# EAGLE board Mk4 Final a Panel score 2x5 (EAGLE 9.0.1), part 24 of 29
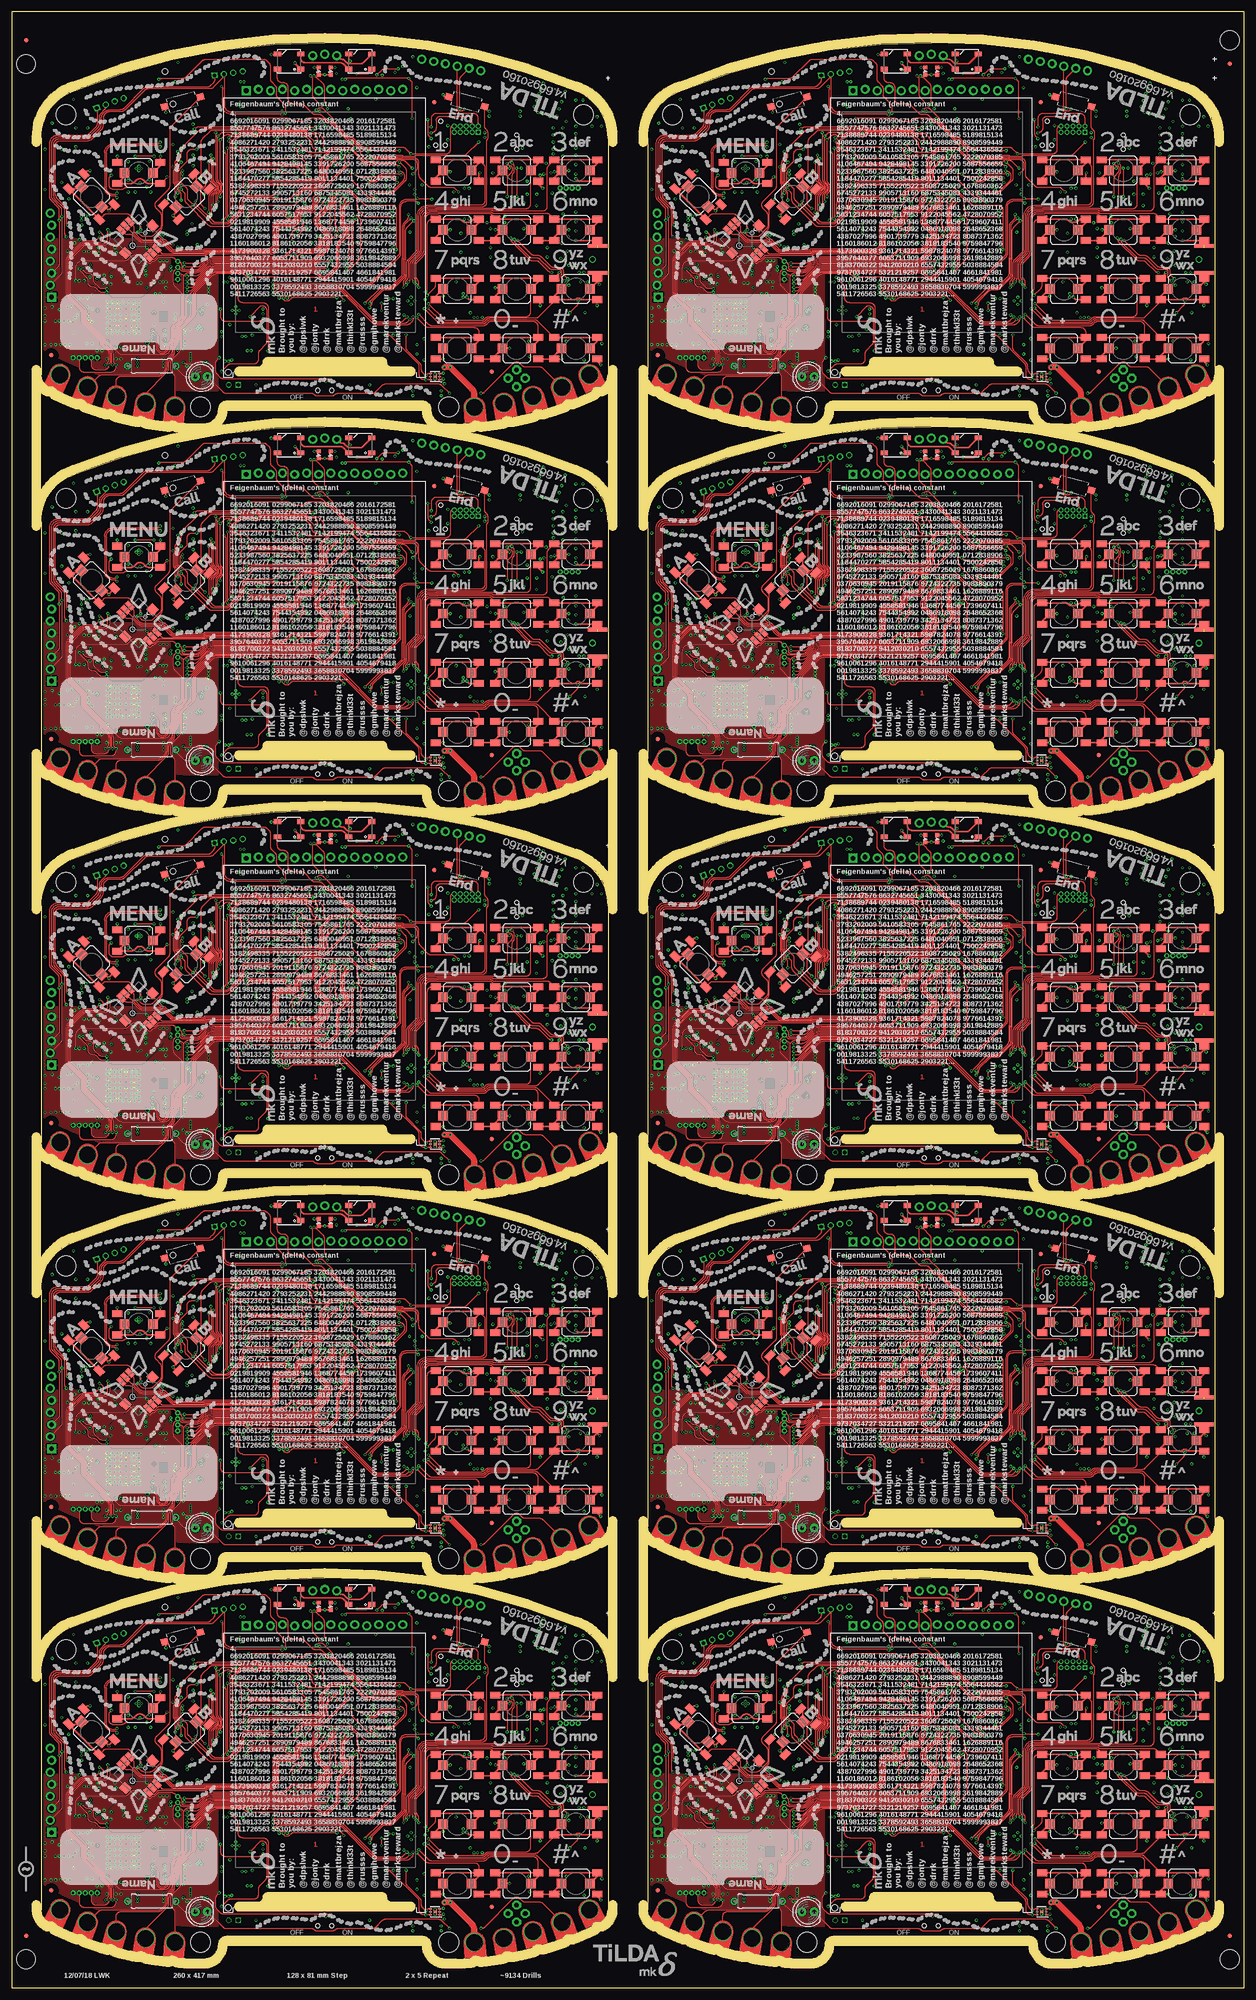
[diagram p0: board, top side]
## Tracks (layer width: path | path; a pad name or v marks a point on that pad's centre or on a via) (continued)
SPK_N4  (via drill 0.3) (continued)
  Bottom 0.2: IC75.12 98.6,215 C493.2 | C490.1 C493.2 | C492.1 C489.2 | C489.2 C493.2 | C489.2 95.17,214.68 90.46,214.68 arc-45 90.39,214.7 90.3,214.8 arc45 90.23,214.82 89.22,214.82 arc-90 v88.6,215.45 | v55,197.9 54.77,197.68 54.29,197.68 arc-45 53.58,197.97 51.27,200.28 arc45 50.8,200.47 50.69,200.47 arc-45 49.98,200.77 46.66,204.08 arc45 45.96,204.38 39.39,204.38 arc-45 38.68,204.67 35.87,207.48 arc-45 35.58,208.19 35.58,208.7 arc90 33.9,210.38 31.29,210.38 arc-45 30.58,210.67 28.37,212.88 arc45 27.66,213.18 24.4,213.18 arc-90 23.67,213.9 23.67,215.6 arc90 22.85,216.43 22.68,216.43 arc-45 22.33,216.57 v22.2,216.7 | 30.45,226.5 C507.2 30.5,226.5 v31.3,226.5 | v85.59,215.62 86.1,215.11 86.1,215.06 86.66,214.5 R359.1
SPK_N5  (via drill 0.3)
  Top 0.2: v183,197.9 183.22,197.68 203.21,197.68 arc45 203.92,197.97 209.46,203.5 arc45 209.75,204.21 209.75,213.93 arc-90 211.17,215.34 213.11,215.34 arc45 213.46,215.49 v213.59,215.62 213.76,215.45 v216.6,215.45 | v159.3,226.5 159.27,226.53 arc45 158.56,226.82 149.5,226.82 arc90 147.93,225.25 147.93,217.95 arc90 149.45,216.43 149.72,216.43 arc45 150.07,216.57 v150.2,216.7
  Bottom 0.2: IC93.12 226.6,215 C601.2 | C598.1 C601.2 | C600.1 C597.2 | C597.2 C601.2 | C597.2 223.18,214.68 218.46,214.68 arc-45 218.39,214.7 218.3,214.8 arc45 218.23,214.82 217.22,214.82 arc-90 v216.6,215.45 | v183,197.9 182.78,197.68 182.29,197.68 arc-45 181.58,197.97 179.26,200.28 arc45 178.8,200.47 178.69,200.47 arc-45 177.98,200.77 174.67,204.08 arc45 173.96,204.38 167.39,204.38 arc-45 166.68,204.67 163.87,207.48 arc-45 163.57,208.19 163.57,208.7 arc90 161.9,210.38 159.29,210.38 arc-45 158.58,210.67 156.37,212.88 arc45 155.66,213.18 152.4,213.18 arc-90 151.68,213.9 151.68,215.6 arc90 150.85,216.43 150.68,216.43 arc-45 150.33,216.57 v150.2,216.7 | 158.45,226.5 C615.2 158.5,226.5 v159.3,226.5 | v213.59,215.62 214.1,215.11 214.1,215.06 214.66,214.5 R437.1
SPK_N6  (via drill 0.3)
  Top 0.2: v55,278.9 55.23,278.68 75.21,278.68 arc45 75.92,278.97 81.46,284.5 arc45 81.75,285.21 81.75,294.93 arc-90 83.17,296.34 85.11,296.34 arc45 85.46,296.49 v85.59,296.62 85.76,296.45 v88.6,296.45 | v31.3,307.5 31.27,307.53 arc45 30.56,307.82 21.5,307.82 arc90 19.92,306.25 19.92,298.95 arc90 21.45,297.43 21.72,297.43 arc45 22.07,297.57 v22.2,297.7
  Bottom 0.2: IC111.12 98.6,296 C709.2 | C706.1 C709.2 | C708.1 C705.2 | C705.2 C709.2 | C705.2 95.17,295.68 90.46,295.68 arc-45 90.39,295.7 90.3,295.8 arc45 90.23,295.82 89.22,295.82 arc-90 v88.6,296.45 | v55,278.9 54.77,278.68 54.29,278.68 arc-45 53.58,278.97 51.27,281.28 arc45 50.8,281.48 50.69,281.48 arc-45 49.98,281.77 46.66,285.08 arc45 45.96,285.38 39.39,285.38 arc-45 38.68,285.67 35.87,288.48 arc-45 35.58,289.19 35.58,289.7 arc90 33.9,291.38 31.29,291.38 arc-45 30.58,291.67 28.37,293.88 arc45 27.66,294.18 24.4,294.18 arc-90 23.67,294.9 23.67,296.6 arc90 22.85,297.43 22.68,297.43 arc-45 22.33,297.57 v22.2,297.7 | 30.45,307.5 C723.2 30.5,307.5 v31.3,307.5 | v85.59,296.62 86.1,296.11 86.1,296.06 86.66,295.5 R515.1
SPK_N7  (via drill 0.3)
  Top 0.2: v183,278.9 183.22,278.68 203.21,278.68 arc45 203.92,278.97 209.46,284.5 arc45 209.75,285.21 209.75,294.93 arc-90 211.17,296.34 213.11,296.34 arc45 213.46,296.49 v213.59,296.62 213.76,296.45 v216.6,296.45 | v159.3,307.5 159.27,307.53 arc45 158.56,307.82 149.5,307.82 arc90 147.93,306.25 147.93,298.95 arc90 149.45,297.43 149.72,297.43 arc45 150.07,297.57 v150.2,297.7
  Bottom 0.2: IC129.12 226.6,296 C817.2 | C814.1 C817.2 | C816.1 C813.2 | C813.2 C817.2 | C813.2 223.18,295.68 218.46,295.68 arc-45 218.39,295.7 218.3,295.8 arc45 218.23,295.82 217.22,295.82 arc-90 v216.6,296.45 | v183,278.9 182.78,278.68 182.29,278.68 arc-45 181.58,278.97 179.26,281.28 arc45 178.8,281.48 178.69,281.48 arc-45 177.98,281.77 174.67,285.08 arc45 173.96,285.38 167.39,285.38 arc-45 166.68,285.67 163.87,288.48 arc-45 163.57,289.19 163.57,289.7 arc90 161.9,291.38 159.29,291.38 arc-45 158.58,291.67 156.37,293.88 arc45 155.66,294.18 152.4,294.18 arc-90 151.68,294.9 151.68,296.6 arc90 150.85,297.43 150.68,297.43 arc-45 150.33,297.57 v150.2,297.7 | 158.45,307.5 C831.2 158.5,307.5 v159.3,307.5 | v213.59,296.62 214.1,296.11 214.1,296.06 214.66,295.5 R593.1
SPK_N8  (via drill 0.3)
  Top 0.2: v55,359.9 55.23,359.68 75.21,359.68 arc45 75.92,359.97 81.46,365.5 arc45 81.75,366.21 81.75,375.93 arc-90 83.17,377.34 85.11,377.34 arc45 85.46,377.49 v85.59,377.62 85.76,377.45 v88.6,377.45 | v31.3,388.5 31.27,388.53 arc45 30.56,388.82 21.5,388.82 arc90 19.92,387.25 19.92,379.95 arc90 21.45,378.43 21.72,378.43 arc45 22.07,378.57 v22.2,378.7
  Bottom 0.2: IC147.12 98.6,377 C925.2 | C922.1 C925.2 | C924.1 C921.2 | C921.2 C925.2 | C921.2 95.17,376.68 90.46,376.68 arc-45 90.39,376.7 90.3,376.8 arc45 90.23,376.82 89.22,376.82 arc-90 v88.6,377.45 | v55,359.9 54.77,359.68 54.29,359.68 arc-45 53.58,359.97 51.27,362.28 arc45 50.8,362.48 50.69,362.48 arc-45 49.98,362.77 46.66,366.08 arc45 45.96,366.38 39.39,366.38 arc-45 38.68,366.67 35.87,369.48 arc-45 35.58,370.19 35.58,370.7 arc90 33.9,372.38 31.29,372.38 arc-45 30.58,372.67 28.37,374.88 arc45 27.66,375.18 24.4,375.18 arc-90 23.67,375.9 23.67,377.6 arc90 22.85,378.43 22.68,378.43 arc-45 22.33,378.57 v22.2,378.7 | 30.45,388.5 C939.2 30.5,388.5 v31.3,388.5 | v85.59,377.62 86.1,377.11 86.1,377.06 86.66,376.5 R671.1
SPK_N9  (via drill 0.3)
  Top 0.2: v183,359.9 183.22,359.68 203.21,359.68 arc45 203.92,359.97 209.46,365.5 arc45 209.75,366.21 209.75,375.93 arc-90 211.17,377.34 213.11,377.34 arc45 213.46,377.49 v213.59,377.62 213.76,377.45 v216.6,377.45 | v159.3,388.5 159.27,388.53 arc45 158.56,388.82 149.5,388.82 arc90 147.93,387.25 147.93,379.95 arc90 149.45,378.43 149.72,378.43 arc45 150.07,378.57 v150.2,378.7
  Bottom 0.2: IC165.12 226.6,377 C1033.2 | C1030.1 C1033.2 | C1032.1 C1029.2 | C1029.2 C1033.2 | C1029.2 223.18,376.68 218.46,376.68 arc-45 218.39,376.7 218.3,376.8 arc45 218.23,376.82 217.22,376.82 arc-90 v216.6,377.45 | v183,359.9 182.78,359.68 182.29,359.68 arc-45 181.58,359.97 179.26,362.28 arc45 178.8,362.48 178.69,362.48 arc-45 177.98,362.77 174.67,366.08 arc45 173.96,366.38 167.39,366.38 arc-45 166.68,366.67 163.87,369.48 arc-45 163.57,370.19 163.57,370.7 arc90 161.9,372.38 159.29,372.38 arc-45 158.58,372.67 156.37,374.88 arc45 155.66,375.18 152.4,375.18 arc-90 151.68,375.9 151.68,377.6 arc90 150.85,378.43 150.68,378.43 arc-45 150.33,378.57 v150.2,378.7 | 158.45,388.5 C1047.2 158.5,388.5 v159.3,388.5 | v213.59,377.62 214.1,377.11 214.1,377.06 214.66,376.5 R749.1
SPK_P  (via drill 0.3)
  Top 0.2: v55,35.1 55.23,35.33 75.36,35.33 arc45 76.06,35.62 81.81,41.36 arc45 82.1,42.07 82.1,51.92 arc-90 83.17,52.99 85.16,52.99 arc-45 85.51,52.84 v85.75,52.61 | v31.3,65.45 arc-45 30.64,65.17 21.5,65.17 arc90 19.58,63.25 19.58,55.95 arc90 21.45,54.08 21.72,54.08 arc-45 22.07,53.93 v22.2,53.8
  Bottom 0.2: IC5.11 96.55,51.95 C68.1 | C68.1 C64.1 | C69.1 C68.1 | C66.1 C64.1 | C64.1 95.17,52.33 90.32,52.33 arc-45 90.25,52.35 90.16,52.45 arc45 90.09,52.48 87.78,52.48 R45.1 87.11,51.86 arc-90 86.4,51.86 85.75,52.51 v85.75,52.61 | v55,35.1 54.77,35.33 54.14,35.33 arc-45 53.44,35.62 51.02,38.03 arc45 50.8,38.12 50.54,38.12 arc-45 49.84,38.42 46.52,41.73 arc45 45.81,42.02 39.24,42.02 arc-45 38.53,42.32 35.52,45.34 arc-45 35.23,46.04 35.23,46.7 arc90 33.9,48.02 31.14,48.02 arc-45 30.44,48.32 28.22,50.53 arc45 27.51,50.83 24.4,50.83 arc-90 23.33,51.9 23.33,53.6 arc90 22.85,54.08 22.68,54.08 arc45 22.33,53.93 v22.2,53.8 | C83.2 v31.3,65.45
SPK_P1  (via drill 0.3)
  Top 0.2: v183,35.1 183.22,35.33 203.36,35.33 arc45 204.06,35.62 209.81,41.36 arc45 210.1,42.07 210.1,51.92 arc-90 211.17,52.99 213.16,52.99 arc-45 213.51,52.84 v213.75,52.61 | v159.3,65.45 arc-45 158.64,65.17 149.5,65.17 arc90 147.57,63.25 147.57,55.95 arc90 149.45,54.08 149.72,54.08 arc-45 150.07,53.93 v150.2,53.8
  Bottom 0.2: IC21.11 224.55,51.95 C169.1 | C169.1 C165.1 | C170.1 C169.1 | C167.1 C165.1 | C165.1 223.18,52.33 218.32,52.33 arc-45 218.25,52.35 218.16,52.45 arc45 218.09,52.48 215.78,52.48 R126.1 215.11,51.86 arc-90 214.4,51.86 213.75,52.51 v213.75,52.61 | v183,35.1 182.78,35.33 182.14,35.33 arc-45 181.44,35.62 179.02,38.03 arc45 178.8,38.12 178.54,38.12 arc-45 177.83,38.42 174.52,41.73 arc45 173.81,42.02 167.24,42.02 arc-45 166.53,42.32 163.52,45.34 arc-45 163.22,46.04 163.22,46.7 arc90 161.9,48.02 159.14,48.02 arc-45 158.44,48.32 156.22,50.53 arc45 155.51,50.83 152.4,50.83 arc-90 151.32,51.9 151.32,53.6 arc90 150.85,54.08 150.68,54.08 arc45 150.33,53.93 v150.2,53.8 | C184.2 v159.3,65.45
SPK_P2  (via drill 0.3)
  Top 0.2: v55,116.1 55.23,116.33 75.36,116.33 arc45 76.06,116.62 81.81,122.36 arc45 82.1,123.07 82.1,132.93 arc-90 83.17,133.99 85.16,133.99 arc-45 85.51,133.84 v85.75,133.61 | v31.3,146.45 arc-45 30.64,146.18 21.5,146.18 arc90 19.58,144.25 19.58,136.95 arc90 21.45,135.07 21.72,135.07 arc-45 22.07,134.93 v22.2,134.8
  Bottom 0.2: IC39.11 96.55,132.95 C277.1 | C277.1 C273.1 | C278.1 C277.1 | C275.1 C273.1 | C273.1 95.17,133.32 90.32,133.32 arc-45 90.25,133.35 90.16,133.45 arc45 90.09,133.47 87.78,133.47 R204.1 87.11,132.86 arc-90 86.4,132.86 85.75,133.51 v85.75,133.61 | v55,116.1 54.77,116.33 54.14,116.33 arc-45 53.44,116.62 51.02,119.03 arc45 50.8,119.12 50.54,119.12 arc-45 49.84,119.42 46.52,122.73 arc45 45.81,123.03 39.24,123.03 arc-45 38.53,123.32 35.52,126.33 arc-45 35.23,127.04 35.23,127.7 arc90 33.9,129.03 31.14,129.03 arc-45 30.44,129.32 28.22,131.53 arc45 27.51,131.82 24.4,131.82 arc-90 23.33,132.9 23.33,134.6 arc90 22.85,135.07 22.68,135.07 arc45 22.33,134.93 v22.2,134.8 | C292.2 v31.3,146.45
SPK_P3  (via drill 0.3)
  Top 0.2: v183,116.1 183.22,116.33 203.36,116.33 arc45 204.06,116.62 209.81,122.36 arc45 210.1,123.07 210.1,132.93 arc-90 211.17,133.99 213.16,133.99 arc-45 213.51,133.84 v213.75,133.61 | v159.3,146.45 arc-45 158.64,146.18 149.5,146.18 arc90 147.57,144.25 147.57,136.95 arc90 149.45,135.07 149.72,135.07 arc-45 150.07,134.93 v150.2,134.8
  Bottom 0.2: IC57.11 224.55,132.95 C385.1 | C385.1 C381.1 | C386.1 C385.1 | C383.1 C381.1 | C381.1 223.18,133.32 218.32,133.32 arc-45 218.25,133.35 218.16,133.45 arc45 218.09,133.47 215.78,133.47 R282.1 215.11,132.86 arc-90 214.4,132.86 213.75,133.51 v213.75,133.61 | v183,116.1 182.78,116.33 182.14,116.33 arc-45 181.44,116.62 179.02,119.03 arc45 178.8,119.12 178.54,119.12 arc-45 177.83,119.42 174.52,122.73 arc45 173.81,123.03 167.24,123.03 arc-45 166.53,123.32 163.52,126.33 arc-45 163.22,127.04 163.22,127.7 arc90 161.9,129.03 159.14,129.03 arc-45 158.44,129.32 156.22,131.53 arc45 155.51,131.82 152.4,131.82 arc-90 151.32,132.9 151.32,134.6 arc90 150.85,135.07 150.68,135.07 arc45 150.33,134.93 v150.2,134.8 | C400.2 v159.3,146.45
SPK_P4  (via drill 0.3)
  Top 0.2: v55,197.1 55.23,197.32 75.36,197.32 arc45 76.06,197.62 81.81,203.36 arc45 82.1,204.07 82.1,213.93 arc-90 83.17,214.99 85.16,214.99 arc-45 85.51,214.84 v85.75,214.61 | v31.3,227.45 arc-45 30.64,227.18 21.5,227.18 arc90 19.58,225.25 19.58,217.95 arc90 21.45,216.07 21.72,216.07 arc-45 22.07,215.93 v22.2,215.8
  Bottom 0.2: IC75.11 96.55,213.95 C493.1 | C493.1 C489.1 | C494.1 C493.1 | C491.1 C489.1 | C489.1 95.17,214.32 90.32,214.32 arc-45 90.25,214.35 90.16,214.45 arc45 90.09,214.47 87.78,214.47 R360.1 87.11,213.86 arc-90 86.4,213.86 85.75,214.51 v85.75,214.61 | v55,197.1 54.77,197.32 54.14,197.32 arc-45 53.44,197.62 51.02,200.03 arc45 50.8,200.12 50.54,200.12 arc-45 49.84,200.42 46.52,203.73 arc45 45.81,204.03 39.24,204.03 arc-45 38.53,204.32 35.52,207.34 arc-45 35.23,208.04 35.23,208.7 arc90 33.9,210.03 31.14,210.03 arc-45 30.44,210.32 28.22,212.53 arc45 27.51,212.82 24.4,212.82 arc-90 23.33,213.9 23.33,215.6 arc90 22.85,216.07 22.68,216.07 arc45 22.33,215.93 v22.2,215.8 | C508.2 v31.3,227.45
SPK_P5  (via drill 0.3)
  Top 0.2: v183,197.1 183.22,197.32 203.36,197.32 arc45 204.06,197.62 209.81,203.36 arc45 210.1,204.07 210.1,213.93 arc-90 211.17,214.99 213.16,214.99 arc-45 213.51,214.84 v213.75,214.61 | v159.3,227.45 arc-45 158.64,227.18 149.5,227.18 arc90 147.57,225.25 147.57,217.95 arc90 149.45,216.07 149.72,216.07 arc-45 150.07,215.93 v150.2,215.8
  Bottom 0.2: IC93.11 224.55,213.95 C601.1 | C601.1 C597.1 | C602.1 C601.1 | C599.1 C597.1 | C597.1 223.18,214.32 218.32,214.32 arc-45 218.25,214.35 218.16,214.45 arc45 218.09,214.47 215.78,214.47 R438.1 215.11,213.86 arc-90 214.4,213.86 213.75,214.51 v213.75,214.61 | v183,197.1 182.78,197.32 182.14,197.32 arc-45 181.44,197.62 179.02,200.03 arc45 178.8,200.12 178.54,200.12 arc-45 177.83,200.42 174.52,203.73 arc45 173.81,204.03 167.24,204.03 arc-45 166.53,204.32 163.52,207.34 arc-45 163.22,208.04 163.22,208.7 arc90 161.9,210.03 159.14,210.03 arc-45 158.44,210.32 156.22,212.53 arc45 155.51,212.82 152.4,212.82 arc-90 151.32,213.9 151.32,215.6 arc90 150.85,216.07 150.68,216.07 arc45 150.33,215.93 v150.2,215.8 | C616.2 v159.3,227.45
SPK_P6  (via drill 0.3)
  Top 0.2: v55,278.1 55.23,278.32 75.36,278.32 arc45 76.06,278.62 81.81,284.36 arc45 82.1,285.07 82.1,294.93 arc-90 83.17,295.99 85.16,295.99 arc-45 85.51,295.85 v85.75,295.61 | v31.3,308.45 arc-45 30.64,308.18 21.5,308.18 arc90 19.58,306.25 19.58,298.95 arc90 21.45,297.07 21.72,297.07 arc-45 22.07,296.93 v22.2,296.8
  Bottom 0.2: IC111.11 96.55,294.95 C709.1 | C709.1 C705.1 | C710.1 C709.1 | C707.1 C705.1 | C705.1 95.17,295.32 90.32,295.32 arc-45 90.25,295.35 90.16,295.45 arc45 90.09,295.48 87.78,295.48 R516.1 87.11,294.86 arc-90 86.4,294.86 85.75,295.51 v85.75,295.61 | v55,278.1 54.77,278.32 54.14,278.32 arc-45 53.44,278.62 51.02,281.04 arc45 50.8,281.12 50.54,281.12 arc-45 49.84,281.42 46.52,284.73 arc45 45.81,285.02 39.24,285.02 arc-45 38.53,285.32 35.52,288.33 arc-45 35.23,289.04 35.23,289.7 arc90 33.9,291.02 31.14,291.02 arc-45 30.44,291.32 28.22,293.53 arc45 27.51,293.82 24.4,293.82 arc-90 23.33,294.9 23.33,296.6 arc90 22.85,297.07 22.68,297.07 arc45 22.33,296.93 v22.2,296.8 | C724.2 v31.3,308.45
SPK_P7  (via drill 0.3)
  Top 0.2: v183,278.1 183.22,278.32 203.36,278.32 arc45 204.06,278.62 209.81,284.36 arc45 210.1,285.07 210.1,294.93 arc-90 211.17,295.99 213.16,295.99 arc-45 213.51,295.85 v213.75,295.61 | v159.3,308.45 arc-45 158.64,308.18 149.5,308.18 arc90 147.57,306.25 147.57,298.95 arc90 149.45,297.07 149.72,297.07 arc-45 150.07,296.93 v150.2,296.8
  Bottom 0.2: IC129.11 224.55,294.95 C817.1 | C817.1 C813.1 | C818.1 C817.1 | C815.1 C813.1 | C813.1 223.18,295.32 218.32,295.32 arc-45 218.25,295.35 218.16,295.45 arc45 218.09,295.48 215.78,295.48 R594.1 215.11,294.86 arc-90 214.4,294.86 213.75,295.51 v213.75,295.61 | v183,278.1 182.78,278.32 182.14,278.32 arc-45 181.44,278.62 179.02,281.04 arc45 178.8,281.12 178.54,281.12 arc-45 177.83,281.42 174.52,284.73 arc45 173.81,285.02 167.24,285.02 arc-45 166.53,285.32 163.52,288.33 arc-45 163.22,289.04 163.22,289.7 arc90 161.9,291.02 159.14,291.02 arc-45 158.44,291.32 156.22,293.53 arc45 155.51,293.82 152.4,293.82 arc-90 151.32,294.9 151.32,296.6 arc90 150.85,297.07 150.68,297.07 arc45 150.33,296.93 v150.2,296.8 | C832.2 v159.3,308.45
SPK_P8  (via drill 0.3)
  Top 0.2: v55,359.1 55.23,359.32 75.36,359.32 arc45 76.06,359.62 81.81,365.36 arc45 82.1,366.07 82.1,375.93 arc-90 83.17,376.99 85.16,376.99 arc-45 85.51,376.85 v85.75,376.61 | v31.3,389.45 arc-45 30.64,389.18 21.5,389.18 arc90 19.58,387.25 19.58,379.95 arc90 21.45,378.07 21.72,378.07 arc-45 22.07,377.93 v22.2,377.8
  Bottom 0.2: IC147.11 96.55,375.95 C925.1 | C925.1 C921.1 | C926.1 C925.1 | C923.1 C921.1 | C921.1 95.17,376.32 90.32,376.32 arc-45 90.25,376.35 90.16,376.45 arc45 90.09,376.48 87.78,376.48 R672.1 87.11,375.86 arc-90 86.4,375.86 85.75,376.51 v85.75,376.61 | v55,359.1 54.77,359.32 54.14,359.32 arc-45 53.44,359.62 51.02,362.04 arc45 50.8,362.12 50.54,362.12 arc-45 49.84,362.42 46.52,365.73 arc45 45.81,366.02 39.24,366.02 arc-45 38.53,366.32 35.52,369.33 arc-45 35.23,370.04 35.23,370.7 arc90 33.9,372.02 31.14,372.02 arc-45 30.44,372.32 28.22,374.53 arc45 27.51,374.82 24.4,374.82 arc-90 23.33,375.9 23.33,377.6 arc90 22.85,378.07 22.68,378.07 arc45 22.33,377.93 v22.2,377.8 | C940.2 v31.3,389.45
SPK_P9  (via drill 0.3)
  Top 0.2: v183,359.1 183.22,359.32 203.36,359.32 arc45 204.06,359.62 209.81,365.36 arc45 210.1,366.07 210.1,375.93 arc-90 211.17,376.99 213.16,376.99 arc-45 213.51,376.85 v213.75,376.61 | v159.3,389.45 arc-45 158.64,389.18 149.5,389.18 arc90 147.57,387.25 147.57,379.95 arc90 149.45,378.07 149.72,378.07 arc-45 150.07,377.93 v150.2,377.8
  Bottom 0.2: IC165.11 224.55,375.95 C1033.1 | C1033.1 C1029.1 | C1034.1 C1033.1 | C1031.1 C1029.1 | C1029.1 223.18,376.32 218.32,376.32 arc-45 218.25,376.35 218.16,376.45 arc45 218.09,376.48 215.78,376.48 R750.1 215.11,375.86 arc-90 214.4,375.86 213.75,376.51 v213.75,376.61 | v183,359.1 182.78,359.32 182.14,359.32 arc-45 181.44,359.62 179.02,362.04 arc45 178.8,362.12 178.54,362.12 arc-45 177.83,362.42 174.52,365.73 arc45 173.81,366.02 167.24,366.02 arc-45 166.53,366.32 163.52,369.33 arc-45 163.22,370.04 163.22,370.7 arc90 161.9,372.02 159.14,372.02 arc-45 158.44,372.32 156.22,374.53 arc45 155.51,374.82 152.4,374.82 arc-90 151.32,375.9 151.32,377.6 arc90 150.85,378.07 150.68,378.07 arc45 150.33,377.93 v150.2,377.8 | C1048.2 v159.3,389.45
SPK_R_N
  Bottom 0.15: R45.2 R46.1 arc45 87.97,56.04 IC11.5
SPK_R_N1
  Bottom 0.15: R126.2 R127.1 arc45 215.97,56.04 IC26.5
SPK_R_N2
  Bottom 0.15: R204.2 R205.1 arc45 87.97,137.04 IC44.5
SPK_R_N3
  Bottom 0.15: R282.2 R283.1 arc45 215.97,137.04 IC62.5
SPK_R_N4
  Bottom 0.15: R360.2 R361.1 arc45 87.97,218.04 IC80.5
SPK_R_N5
  Bottom 0.15: R438.2 R439.1 arc45 215.97,218.04 IC98.5
SPK_R_N6
  Bottom 0.15: R516.2 R517.1 arc45 87.97,299.04 IC116.5
SPK_R_N7
  Bottom 0.15: R594.2 R595.1 arc45 215.97,299.04 IC134.5
SPK_R_N8
  Bottom 0.15: R672.2 R673.1 arc45 87.97,380.04 IC152.5
SPK_R_N9
  Bottom 0.15: R750.2 R751.1 arc45 215.97,380.04 IC170.5
SPK_R_P
  Bottom 0.15: R43.2 R51.1 R50.1 87.03,55.78 arc45 87.33,56.49 IC11.6
SPK_R_P1
  Bottom 0.15: R125.2 R129.1 R128.1 215.03,55.78 arc45 215.32,56.49 IC26.6
SPK_R_P2
  Bottom 0.15: R203.2 R207.1 R206.1 87.03,136.78 arc45 87.33,137.49 IC44.6
SPK_R_P3
  Bottom 0.15: R281.2 R285.1 R284.1 215.03,136.78 arc45 215.32,137.49 IC62.6
SPK_R_P4
  Bottom 0.15: R359.2 R363.1 R362.1 87.03,217.78 arc45 87.33,218.49 IC80.6
SPK_R_P5
  Bottom 0.15: R437.2 R441.1 R440.1 215.03,217.78 arc45 215.32,218.49 IC98.6
SPK_R_P6
  Bottom 0.15: R515.2 R519.1 R518.1 87.03,298.78 arc45 87.33,299.49 IC116.6
SPK_R_P7
  Bottom 0.15: R593.2 R597.1 R596.1 215.03,298.78 arc45 215.32,299.49 IC134.6
SPK_R_P8
  Bottom 0.15: R671.2 R675.1 R674.1 87.03,379.78 arc45 87.33,380.49 IC152.6
SPK_R_P9
  Bottom 0.15: R749.2 R753.1 R752.1 215.03,379.78 arc45 215.32,380.49 IC170.6
SSI0_LCD_CLK
  Bottom 0.15: J2.37 60.25,44.09 arc-45 60.54,44.79 60.91,45.16 arc45 61.2,45.86 61.2,47.03 arc45 61.15,47.15 60.11,48.19 arc45 58.88,48.7 58.2,48.7 arc-90 57.2,49.7 57.2,53.1 arc-90 57.7,53.6 IC1.35
SSI0_LCD_CLK1
  Bottom 0.15: J6.37 188.25,44.09 arc-45 188.54,44.79 188.91,45.16 arc45 189.2,45.86 189.2,47.03 arc45 189.15,47.15 188.11,48.19 arc45 186.88,48.7 186.2,48.7 arc-90 185.2,49.7 185.2,53.1 arc-90 185.7,53.6 IC20.35
SSI0_LCD_CLK2
  Bottom 0.15: J21.37 60.25,125.09 arc-45 60.54,125.79 60.91,126.16 arc45 61.2,126.86 61.2,128.03 arc45 61.15,128.15 60.11,129.19 arc45 58.88,129.7 58.2,129.7 arc-90 57.2,130.7 57.2,134.1 arc-90 57.7,134.6 IC38.35
SSI0_LCD_CLK3
  Bottom 0.15: J31.37 188.25,125.09 arc-45 188.54,125.79 188.91,126.16 arc45 189.2,126.86 189.2,128.03 arc45 189.15,128.15 188.11,129.19 arc45 186.88,129.7 186.2,129.7 arc-90 185.2,130.7 185.2,134.1 arc-90 185.7,134.6 IC56.35
SSI0_LCD_CLK4
  Bottom 0.15: J41.37 60.25,206.09 arc-45 60.54,206.79 60.91,207.16 arc45 61.2,207.86 61.2,209.03 arc45 61.15,209.15 60.11,210.19 arc45 58.88,210.7 58.2,210.7 arc-90 57.2,211.7 57.2,215.1 arc-90 57.7,215.6 IC74.35
SSI0_LCD_CLK5
  Bottom 0.15: J51.37 188.25,206.09 arc-45 188.54,206.79 188.91,207.16 arc45 189.2,207.86 189.2,209.03 arc45 189.15,209.15 188.11,210.19 arc45 186.88,210.7 186.2,210.7 arc-90 185.2,211.7 185.2,215.1 arc-90 185.7,215.6 IC92.35
SSI0_LCD_CLK6
  Bottom 0.15: J61.37 60.25,287.09 arc-45 60.54,287.79 60.91,288.16 arc45 61.2,288.86 61.2,290.03 arc45 61.15,290.15 60.11,291.19 arc45 58.88,291.7 58.2,291.7 arc-90 57.2,292.7 57.2,296.1 arc-90 57.7,296.6 IC110.35
SSI0_LCD_CLK7
  Bottom 0.15: J71.37 188.25,287.09 arc-45 188.54,287.79 188.91,288.16 arc45 189.2,288.86 189.2,290.03 arc45 189.15,290.15 188.11,291.19 arc45 186.88,291.7 186.2,291.7 arc-90 185.2,292.7 185.2,296.1 arc-90 185.7,296.6 IC128.35
SSI0_LCD_CLK8
  Bottom 0.15: J81.37 60.25,368.09 arc-45 60.54,368.79 60.91,369.16 arc45 61.2,369.86 61.2,371.03 arc45 61.15,371.15 60.11,372.19 arc45 58.88,372.7 58.2,372.7 arc-90 57.2,373.7 57.2,377.1 arc-90 57.7,377.6 IC146.35
SSI0_LCD_CLK9
  Bottom 0.15: J91.37 188.25,368.09 arc-45 188.54,368.79 188.91,369.16 arc45 189.2,369.86 189.2,371.03 arc45 189.15,371.15 188.11,372.19 arc45 186.88,372.7 186.2,372.7 arc-90 185.2,373.7 185.2,377.1 arc-90 185.7,377.6 IC164.35
SSI0_LCD_CS
  Bottom 0.15: J2.38 59.75,44.09 arc-45 60.04,44.79 60.58,45.33 arc45 60.88,46.04 60.88,46.92 arc45 60.82,47.06 59.91,47.96 arc45 58.85,48.4 58.15,48.4 arc-90 56.9,49.65 56.9,53.25 arc-90 57.65,54 IC1.36
SSI0_LCD_CS1
  Bottom 0.15: J6.38 187.75,44.09 arc-45 188.04,44.79 188.58,45.33 arc45 188.88,46.04 188.88,46.92 arc45 188.82,47.06 187.92,47.96 arc45 186.85,48.4 186.15,48.4 arc-90 184.9,49.65 184.9,53.25 arc-90 185.65,54 IC20.36
SSI0_LCD_CS2
  Bottom 0.15: J21.38 59.75,125.09 arc-45 60.04,125.79 60.58,126.33 arc45 60.88,127.04 60.88,127.92 arc45 60.82,128.06 59.91,128.96 arc45 58.85,129.4 58.15,129.4 arc-90 56.9,130.65 56.9,134.25 arc-90 57.65,135 IC38.36
SSI0_LCD_CS3
  Bottom 0.15: J31.38 187.75,125.09 arc-45 188.04,125.79 188.58,126.33 arc45 188.88,127.04 188.88,127.92 arc45 188.82,128.06 187.92,128.96 arc45 186.85,129.4 186.15,129.4 arc-90 184.9,130.65 184.9,134.25 arc-90 185.65,135 IC56.36
SSI0_LCD_CS4
  Bottom 0.15: J41.38 59.75,206.09 arc-45 60.04,206.79 60.58,207.33 arc45 60.88,208.04 60.88,208.92 arc45 60.82,209.06 59.91,209.96 arc45 58.85,210.4 58.15,210.4 arc-90 56.9,211.65 56.9,215.25 arc-90 57.65,216 IC74.36
SSI0_LCD_CS5
  Bottom 0.15: J51.38 187.75,206.09 arc-45 188.04,206.79 188.58,207.33 arc45 188.88,208.04 188.88,208.92 arc45 188.82,209.06 187.92,209.96 arc45 186.85,210.4 186.15,210.4 arc-90 184.9,211.65 184.9,215.25 arc-90 185.65,216 IC92.36
SSI0_LCD_CS6
  Bottom 0.15: J61.38 59.75,287.09 arc-45 60.04,287.79 60.58,288.33 arc45 60.88,289.04 60.88,289.92 arc45 60.82,290.06 59.91,290.96 arc45 58.85,291.4 58.15,291.4 arc-90 56.9,292.65 56.9,296.25 arc-90 57.65,297 IC110.36
SSI0_LCD_CS7
  Bottom 0.15: J71.38 187.75,287.09 arc-45 188.04,287.79 188.58,288.33 arc45 188.88,289.04 188.88,289.92 arc45 188.82,290.06 187.92,290.96 arc45 186.85,291.4 186.15,291.4 arc-90 184.9,292.65 184.9,296.25 arc-90 185.65,297 IC128.36
SSI0_LCD_CS8
  Bottom 0.15: J81.38 59.75,368.09 arc-45 60.04,368.79 60.58,369.33 arc45 60.88,370.04 60.88,370.92 arc45 60.82,371.06 59.91,371.96 arc45 58.85,372.4 58.15,372.4 arc-90 56.9,373.65 56.9,377.25 arc-90 57.65,378 IC146.36
SSI0_LCD_CS9
  Bottom 0.15: J91.38 187.75,368.09 arc-45 188.04,368.79 188.58,369.33 arc45 188.88,370.04 188.88,370.92 arc45 188.82,371.06 187.92,371.96 arc45 186.85,372.4 186.15,372.4 arc-90 184.9,373.65 184.9,377.25 arc-90 185.65,378 IC164.36
SSI0_LCD_MISO  (via drill 0.3)
  Top 0.15: v59.8,45.8 59.89,45.8 arc45 60.59,46.09 61.21,46.71 arc-45 61.91,47 v62.45,47
  Bottom 0.15: IC1.38 57.55,54.8 arc90 56.3,53.55 56.3,49.55 arc90 58.05,47.8 58.79,47.8 arc-45 59.49,47.51 59.51,47.49 arc-45 59.8,46.79 v59.8,45.8 | J2.33 62.25,46.52 arc-45 v62.45,47
SSI0_LCD_MISO1  (via drill 0.3)
  Top 0.15: v187.8,45.8 187.89,45.8 arc45 188.59,46.09 189.21,46.71 arc-45 189.91,47 v190.45,47
  Bottom 0.15: IC20.38 185.55,54.8 arc90 184.3,53.55 184.3,49.55 arc90 186.05,47.8 186.79,47.8 arc-45 187.49,47.51 187.51,47.49 arc-45 187.8,46.79 v187.8,45.8 | J6.33 190.25,46.52 arc-45 v190.45,47
SSI0_LCD_MISO2  (via drill 0.3)
  Top 0.15: v59.8,126.8 59.89,126.8 arc45 60.59,127.09 61.21,127.71 arc-45 61.91,128 v62.45,128
  Bottom 0.15: IC38.38 57.55,135.8 arc90 56.3,134.55 56.3,130.55 arc90 58.05,128.8 58.79,128.8 arc-45 59.49,128.51 59.51,128.49 arc-45 59.8,127.79 v59.8,126.8 | J21.33 62.25,127.52 arc-45 v62.45,128
SSI0_LCD_MISO3  (via drill 0.3)
  Top 0.15: v187.8,126.8 187.89,126.8 arc45 188.59,127.09 189.21,127.71 arc-45 189.91,128 v190.45,128
  Bottom 0.15: IC56.38 185.55,135.8 arc90 184.3,134.55 184.3,130.55 arc90 186.05,128.8 186.79,128.8 arc-45 187.49,128.51 187.51,128.49 arc-45 187.8,127.79 v187.8,126.8 | J31.33 190.25,127.52 arc-45 v190.45,128
SSI0_LCD_MISO4  (via drill 0.3)
  Top 0.15: v59.8,207.8 59.89,207.8 arc45 60.59,208.09 61.21,208.71 arc-45 61.91,209 v62.45,209
  Bottom 0.15: IC74.38 57.55,216.8 arc90 56.3,215.55 56.3,211.55 arc90 58.05,209.8 58.79,209.8 arc-45 59.49,209.51 59.51,209.49 arc-45 59.8,208.79 v59.8,207.8 | J41.33 62.25,208.52 arc-45 v62.45,209